# KiCad board Marble.kicad_pcb (continued)
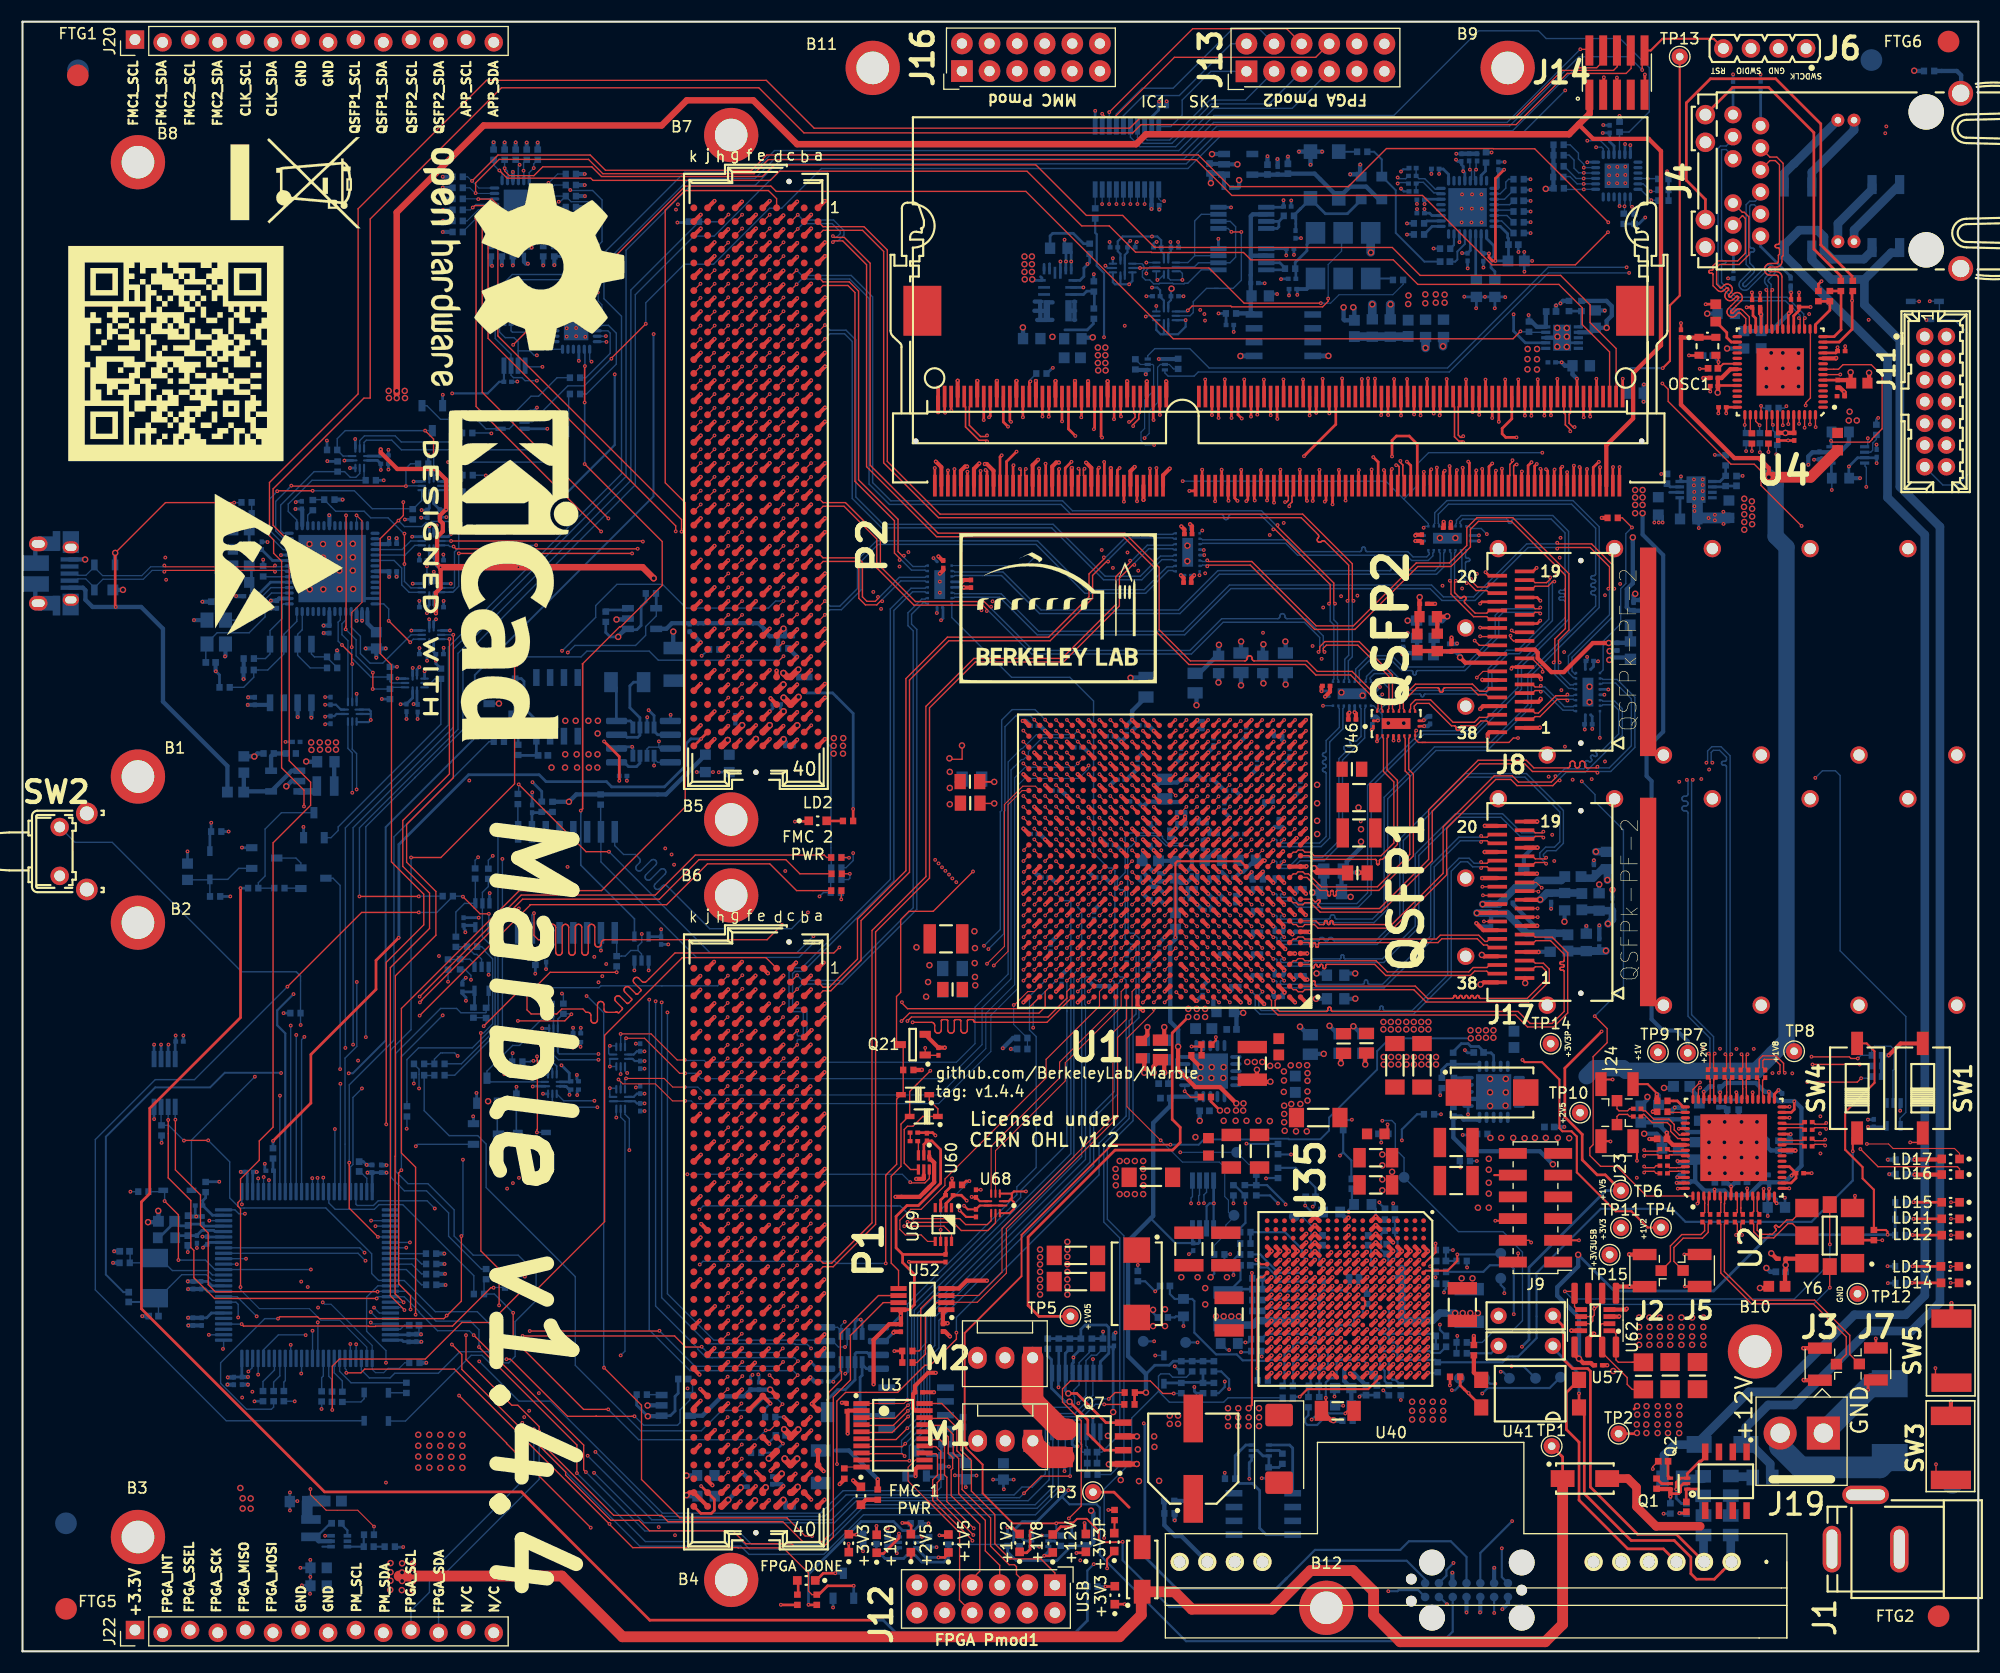
[diagram p0: board, top side]
## Nets (continued)
GND: B1.1 B2.1 B3.1 B4.1 B5.1 B6.1 B7.1 B8.1 B9.1 B10.1 B11.1 B12.1 C1.2 C2.2 C3.2 C4.2 C5.2 C6.2 C7.2 C8.2 C9.2 C10.2 C11.2 C12.1 C13.1 C14.2 C15.2 C16.2 C17.2 C18.2 C19.2 C20.2 C21.2 C22.2 C23.2 C24.2 C25.2 C26.2 C27.2 C28.2 C29.2 C36.2 C37.2 C38.2 C39.2 C40.1 C41.2 C42.1 C43.2 C44.2 C45.2 C46.2 C47.1 C48.2 C49.2 C50.2 C51.2 C52.2 C53.2 C54.2 C55.2 C56.2 C57.2 C58.2 C59.2 C60.2 C61.2 C62.2 C63.2 C64.2 C65.2 C66.2 C67.2 C68.1 C69.1 C70.2 C71.1 C72.1 C73.1 C74.2 C75.2 C76.2 C77.2 C78.2 C79.2 C80.2 C81.2 C90.2 C91.2 C92.2 C93.2 C103.2 C104.2 C105.2 C106.2 C107.2 C108.2 C109.2 C110.2 C111.2 C112.2 C113.2 C115.2 C116.2 C117.2 C118.2 C119.2 C120.2 C121.2 C122.2 C123.2 C124.2 C125.2 C126.2 C127.2 C128.2 C129.2 C131.2 C132.2 C136.2 C137.2 C138.2 C139.2 C140.1 C142.2 C143.2 C144.1 C145.2 C146.2 C147.1 C148.1 C149.1 C151.1 C152.1 C153.1 C154.1 C155.1 C156.1 C157.1 C158.1 C159.1 C160.1 C161.1 C162.2 C163.2 C164.2 C165.2 C166.2 C167.2 C168.2 C169.2 C170.2 C171.2 C172.2 C173.2 C174.2 C175.2 C176.2 C177.2 C178.2 C179.2 C180.2 C181.2 C182.2 C183.2 C184.2 C185.2 C186.2 C187.2 C190.2 C191.1 C192.1 C193.2 C194.1 C195.1 C196.2 C197.2 C198.2 C199.2 C200.2 C201.2 C202.2 C203.2 C204.2 C205.2 C206.2 C207.2 C208.2 C209.2 C210.2 C211.2 C212.2 C213.2 C214.2 C215.2 C216.2 C217.2 C218.2 C219.2 C220.2 C221.2 C223.2 C225.2 C226.2 C227.2 C228.2 C229.2 C230.2 C231.2 C232.2 C233.2 C234.2 C235.2 C236.2 C237.2 C238.2 C239.2 C240.2 C241.2 C242.2 C243.2 C244.2 C245.2 C246.2 C247.2 C248.2 C249.2 C250.2 C251.2 C252.2 C253.2 C254.2 C255.2 C256.2 C257.2 C258.2 C259.2 C260.2 C261.2 C262.2 C263.2 C264.2 C265.2 C266.2 C267.2 C268.2 C269.2 C270.2 C271.2 C272.2 C273.2 C274.2 C275.2 C276.2 C277.2 C278.2 C279.2 C280.2 C281.2 C282.2 C283.2 C284.2 C285.2 C286.2 C287.2 C290.2 C291.2 C292.2 C293.2 C294.2 C295.2 C296.2 C297.2 C298.2 C299.2 C300.2 C301.2 C302.2 C303.2 C304.2 C305.2 C306.2 C307.1 C308.2 C309.1 C310.2 C311.2 C312.2 C313.2 C314.2 C315.2 C316.2 C317.2 C318.2 C319.2 C320.2 C321.2 C322.1 C323.2 C324.1 C325.2 C326.2 C327.2 C328.1 C329.2 C330.1 C331.1 C332.2 C333.2 C334.2 C335.2 C336.2 C337.2 C338.2 C339.2 C340.1 C341.1 C342.2 C343.2 C344.2 C345.1 C346.1 C347.1 C348.2 C349.2 C350.2 C351.2 C352.2 C353.2 C354.2 C355.2 C356.2 C357.2 C358.2 C359.2 C360.2 C364.2 C365.2 C366.2 C367.2 C368.2 C369.2 C370.1 C371.2 C372.2 C373.2 C375.2 C376.2 C377.2 C378.2 C380.2 C381.2 C382.2 C383.2 C384.2 C385.2 C386.2 C387.2 C388.2 C389.2 C390.2 C391.2 C392.2 C393.2 C394.2 C395.2 C396.2 C397.2 C398.2 C399.2 C400.2 C401.2 C402.2 C403.2 C404.2 C405.2 C406.2 C407.2 C408.2 C409.2 C411.2 C412.2 C413.2 C414.2 C415.2 C417.1 C418.2 C420.2 C421.2 C422.2 C423.2 C424.2 C425.2 C427.2 C428.2 C429.2 C430.2 C431.2 C432.2 C433.2 D10.2 D13.1 D15.2 J1.3 J2.2 J3.2 J5.2 J6.2 J7.2 J8.1 J8.4 J8.7 J8.13 J8.16 J8.19 J8.20 J8.23 J8.26 J8.32 J8.35 J8.38 J9.3 J9.10 J10.5 J10.6 J11.1 J11.3 J11.5 J11.7 J11.9 J11.11 J12.9 J12.10 J13.9 J13.10 J14.3 J14.5 J14.9 J15.G1 J15.G2 J15.G3 J15.G4 J15.G5 J15.G6 J15.G7 J15.G8 J15.G9 J15.G10 J15.G11 J15.G12 J15.G13 J16.9 J16.10 J17.1 J17.4 J17.7 J17.13 J17.16 J17.19 J17.20 J17.23 J17.26 J17.32 J17.35 J17.38 J18.G1 J18.G2 J18.G3 J18.G4 J18.G5 J18.G6 J18.G7 J18.G8 J18.G9 J18.G10 J18.G11 J18.G12 J18.G13 J19.1 J20.7 J20.8 J21.1 J21.3 J21.4 J21.13 J22.7 J22.8 J23.2 J24.2 L28.1 LD1.1 LD2.1 LD4.1 LD6.1 LD10.1 LD18.1 LD19.1 OSC1.2 P1.A1 P1.A4 P1.A5 P1.A8 P1.A9 P1.A12 P1.A13 P1.A16 P1.A17 P1.A20 P1.A21 P1.A24 P1.A25 P1.A28 P1.A29 P1.A32 P1.A33 P1.A36 P1.A37 P1.A40 P1.B2 P1.B3 P1.B6 P1.B7 P1.B10 P1.B11 P1.B14 P1.B15 P1.B18 P1.B19 P1.B22 P1.B23 P1.B26 P1.B27 P1.B30 P1.B31 P1.B34 P1.B35 P1.B38 P1.B39 P1.C1 P1.C4 P1.C5 P1.C8 P1.C9 P1.C12 P1.C13 P1.C16 P1.C17 P1.C20 P1.C21 P1.C24 P1.C25 P1.C28 P1.C29 P1.C32 P1.C33 P1.C36 P1.C38 P1.C40 P1.D2 P1.D3 P1.D6 P1.D7 P1.D10 P1.D13 P1.D16 P1.D19 P1.D22 P1.D25 P1.D28 P1.D37 P1.D39 P1.E1 P1.E4 P1.E5 P1.E8 P1.E11 P1.E14 P1.E17 P1.E20 P1.E23 P1.E26 P1.E29 P1.E32 P1.E35 P1.E38 P1.E40 P1.F2 P1.F3 P1.F6 P1.F9 P1.F12 P1.F15 P1.F18 P1.F21 P1.F24 P1.F27 P1.F30 P1.F33 P1.F36 P1.F39 P1.G1 P1.G4 P1.G5 P1.G8 P1.G11 P1.G14 P1.G17 P1.G20 P1.G23 P1.G26 P1.G29 P1.G32 P1.G35 P1.G38 P1.G40 P1.H3 P1.H6 P1.H9 P1.H12 P1.H15 P1.H18 P1.H21 P1.H24 P1.H27 P1.H30 P1.H33 P1.H36 P1.H39 P1.J1 P1.J4 P1.J5 P1.J8 P1.J11 P1.J14 P1.J17 P1.J20 P1.J23 P1.J26 P1.J29 P1.J32 P1.J35 P1.J38 P1.J40 P1.K2 P1.K3 P1.K6 P1.K9 P1.K12 P1.K15 P1.K18 P1.K21 P1.K24 P1.K27 P1.K30 P1.K33 P1.K36 P1.K39 P2.A1 P2.A4 P2.A5 P2.A8 P2.A9 P2.A12 P2.A13 P2.A16 P2.A17 P2.A20 P2.A21 P2.A24 P2.A25 P2.A28 P2.A29 P2.A32 P2.A33 P2.A36 P2.A37 P2.A40 P2.B2 P2.B3 P2.B6 P2.B7 P2.B10 P2.B11 P2.B14 P2.B15 P2.B18 P2.B19 P2.B22 P2.B23 P2.B26 P2.B27 P2.B30 P2.B31 P2.B34 P2.B35 P2.B38 P2.B39 P2.C1 P2.C4 P2.C5 P2.C8 P2.C9 P2.C12 P2.C13 P2.C16 P2.C17 P2.C20 P2.C21 P2.C24 P2.C25 P2.C28 P2.C29 P2.C32 P2.C33 P2.C36 P2.C38 P2.C40 P2.D2 P2.D3 P2.D6 P2.D7 P2.D10 P2.D13 P2.D16 P2.D19 P2.D22 P2.D25 P2.D28 P2.D37 P2.D39 P2.E1 P2.E4 P2.E5 P2.E8 P2.E11 P2.E14 P2.E17 P2.E20 P2.E23 P2.E26 P2.E29 P2.E32 P2.E35 P2.E38 P2.E40 P2.F2 P2.F3 P2.F6 P2.F9 P2.F12 P2.F15 P2.F18 P2.F21 P2.F24 P2.F27 P2.F30 P2.F33 P2.F36 P2.F39 P2.G1 P2.G4 P2.G5 P2.G8 P2.G11 P2.G14 P2.G17 P2.G20 P2.G23 P2.G26 P2.G29 P2.G32 P2.G35 P2.G38 P2.G40 P2.H3 P2.H6 P2.H9 P2.H12 P2.H15 P2.H18 P2.H21 P2.H24 P2.H27 P2.H30 P2.H33 P2.H36 P2.H39 P2.J1 P2.J4 P2.J5 P2.J8 P2.J11 P2.J14 P2.J17 P2.J20 P2.J23 P2.J26 P2.J29 P2.J32 P2.J35 P2.J38 P2.J40 P2.K2 P2.K3 P2.K6 P2.K9 P2.K12 P2.K15 P2.K18 P2.K21 P2.K24 P2.K27 P2.K30 P2.K33 P2.K36 P2.K39 Q3.1 Q3.4 Q5.2 Q6.2 Q7.1 Q7.3 Q8.2 Q9.2 Q15.1 Q15.4 Q17.2 Q18.2 Q19.2 Q20.1 Q20.4 Q21.2 Q24.2 R9.1 R10.1 R12.1 R21.1 R22.1 R23.1 R26.2 R30.2 R33.2 R34.2 R42.2 R43.2 R44.2 R59.1 R60.1 R66.1 R69.1 R71.2 R84.2 R85.2 R88.2 R96.1 R97.1 R98.1 R99.1 R100.1 R101.1 R102.1 R104.2 R105.1 R106.1 R108.2 R116.2 R119.2 R120.1 R127.2 R132.2 R137.2 R138.2 R142.2 R144.2 R146.2 R147.2 R155.1 R158.2 R165.1 R169.1 R170.1 R180.1 R181.2 R186.1 R187.1 R188.2 R189.2 R192.1 R193.1 R196.2 R198.2 R201.2 R207.2 R208.2 R211.2 R212.2 R218.2 R220.1 R222.2 R226.1 R272.1 R281.2 R284.2 R285.2 R297.2 R298.2 R299.2 R300.2 R308.1 SK1.2 SK1.3 SK1.8 SK1.9 SK1.13 SK1.14 SK1.19 SK1.20 SK1.25 SK1.26 SK1.31 SK1.32 SK1.37 SK1.38 SK1.43 SK1.44 SK1.48 SK1.49 SK1.54 SK1.55 SK1.60 SK1.61 SK1.65 SK1.66 SK1.71 SK1.72 SK1.127 SK1.128 SK1.133 SK1.134 SK1.138 SK1.139 SK1.144 SK1.145 SK1.150 SK1.151 SK1.155 SK1.156 SK1.161 SK1.162 SK1.167 SK1.168 SK1.172 SK1.173 SK1.178 SK1.179 SK1.184 SK1.185 SK1.189 SK1.190 SK1.195 SK1.196 SK1.197 SK1.201 SW1.2 SW2.1 SW3.1 SW5.1 TP12.1 U1.A1 U1.A2 U1.A5 U1.A6 U1.A7 U1.A16 U1.A26 U1.AA6 U1.AA16 U1.AA26 U1.AB3 U1.AB13 U1.AB23 U1.AC10 U1.AC20 U1.AD7 U1.AD17 U1.AE4 U1.AE14 U1.AE24 U1.AF1 U1.AF11 U1.AF21 U1.B4 U1.B7 U1.B13 U1.B23 U1.C1 U1.C5 U1.C7 U1.C10 U1.C20 U1.D4 U1.D7 U1.D17 U1.E1 U1.E2 U1.E5 U1.E7 U1.E8 U1.E14 U1.E24 U1.F3 U1.F4 U1.F7 U1.F11 U1.F21 U1.G1 U1.G5 U1.G8 U1.G18 U1.H4 U1.H7 U1.H15 U1.H25 U1.J1 U1.J2 U1.J5 U1.J12 U1.J22 U1.K3 U1.K4 U1.K7 U1.K9 U1.K11 U1.K13 U1.K19 U1.L1 U1.L5 U1.L10 U1.L12 U1.L14 U1.L16 U1.L26 U1.M4 U1.M7 U1.M9 U1.M13 U1.M15 U1.M23 U1.N1 U1.N2 U1.N5 U1.N7 U1.N10 U1.N14 U1.N20 U1.P3 U1.P4 U1.P9 U1.P13 U1.P15 U1.P17 U1.R1 U1.R2 U1.R5 U1.R8 U1.R10 U1.R14 U1.R24 U1.T1 U1.T3 U1.T4 U1.T9 U1.T11 U1.T13 U1.T15 U1.T21 U1.U8 U1.U10 U1.U12 U1.U14 U1.U18 U1.V5 U1.V15 U1.V25 U1.W2 U1.W12 U1.W22 U1.Y9 U1.Y19 U2.2 U2.11 U2.16 U2.17 U2.27 U2.30 U2.32 U2.33 U2.37 U2.46 U2.53 U2.62 U2.64 U2.65 U3.11 U4.10 U4.57 U5.9 U6.2 U7.3 U8.3 U9.1 U9.3 U10.3 U11.1 U11.3 U12.11 U13.2 U14.4 U14.5 U15.2 U15.3 U16.8 U17.3 U17.7 U17.8 U18.3 U19.8 U20.22 U20.33 U21.5 U22.2 U23.10 U23.21 U23.41 U23.45 U23.57 U24.2 U24.3 U25.1 U25.2 U25.3 U26.3 U27.10 U27.13 U28.4 U28.5 U29.4 U29.5 U29.6 U30.10 U31.4 U31.8 U31.11 U32.3 U32.8 U33.1 U33.3 U34.9 U34.18 U34.24 U34.25 U35.A4 U35.A5 U35.A8 U35.A9 U35.A10 U35.A11 U35.A12 U35.A14 U35.A15 U35.A16 U35.A17 U35.A18 U35.A19 U35.B4 U35.B5 U35.B6 U35.B7 U35.B8 U35.B9 U35.B10 U35.B11 U35.B12 U35.B14 U35.B15 U35.B16 U35.B17 U35.B18 U35.B19 U35.C4 U35.C5 U35.C6 U35.C7 U35.C8 U35.C9 U35.C10 U35.C11 U35.C12 U35.C14 U35.C15 U35.C16 U35.C17 U35.C18 U35.C19 U35.D4 U35.D5 U35.D6 U35.D14 U35.D15 U35.D16 U35.D17 U35.D18 U35.D19 U35.E3 U35.E4 U35.E5 U35.E12 U35.E13 U35.E14 U35.E15 U35.E16 U35.E17 U35.E18 U35.E19 U35.F1 U35.F2 U35.F3 U35.F4 U35.F5 U35.F6 U35.F7 U35.F12 U35.G1 U35.G2 U35.G3 U35.G4 U35.G5 U35.G6 U35.G10 U35.G12 U35.H5 U35.H7 U35.H12 U35.H14 U35.H16 U35.H17 U35.J7 U35.J9 U35.J13 U35.J14 U35.J15 U35.J16 U35.J18 U35.K1 U35.K2 U35.K3 U35.K4 U35.K5 U35.K6 U35.K7 U35.K11 U35.K12 U35.K13 U35.K14 U35.K16 U35.L7 U35.L11 U35.L13 U35.L14 U35.L15 U35.L16 U35.L17 U35.L18 U35.L19 U35.M5 U35.M7 U35.M10 U35.M12 U35.M13 U35.M14 U35.M15 U35.M17 U35.M18 U35.M19 U35.N1 U35.N2 U35.N3 U35.N4 U35.N5 U35.N6 U35.N12 U35.N13 U35.N14 U35.N17 U35.N18 U35.N19 U35.P1 U35.P2 U35.P3 U35.P4 U35.P5 U35.P11 U35.P12 U35.P13 U35.P14 U35.P18 U35.P19 U35.R3 U35.R4 U35.R5 U35.R12 U35.R13 U35.R14 U35.R15 U35.R16 U35.R17 U35.R18 U35.R19 U35.T4 U35.T5 U35.T6 U35.T14 U35.T15 U35.T16 U35.T17 U35.T18 U35.T19 U35.U4 U35.U5 U35.U6 U35.U7 U35.U8 U35.U9 U35.U10 U35.U11 U35.U12 U35.U14 U35.U15 U35.U16 U35.U17 U35.U18 U35.U19 U35.V4 U35.V5 U35.V6 U35.V7 U35.V8 U35.V9 U35.V10 U35.V11 U35.V12 U35.V14 U35.V15 U35.V16 U35.V17 U35.V18 U35.V19 U35.W4 U35.W5 U35.W8 U35.W9 U35.W10 U35.W11 U35.W12 U35.W14 U35.W15 U35.W16 U35.W17 U35.W18 U35.W19 U36.12 U36.21 U37.12 U37.21 U38.2 U38.3 U38.10 U39.9 U39.23 U39.24 U39.25 U40.7 U40.10 U42.1 U42.2 U42.3 U42.10 U43.2 U44.5 U44.11 U44.20 U44.21 U45.5 U45.11 U45.20 U45.21 U46.5 U46.11 U46.20 U46.21 U47.4 U47.9 U48.5 U48.11 U48.20 U48.21 U49.5 U49.11 U49.20 U49.21 U50.5 U50.11 U50.20 U50.21 U51.2 U51.3 U51.10 U52.4 U53.1 U53.2 U53.3 U53.10 U54.10 U54.20 U54.27 U54.74 U55.2 U56.3 U57.3 U57.8 U58.16 U58.17 U58.18 U59.4 U60.5 U61.1 U61.3 U62.1 U62.6 U63.1 U63.2 U63.6 U64.1 U64.6 U65.2 U65.3 U66.1 U66.2 U66.3 U67.2 U67.3 U67.10 U68.2 U68.3 U68.10 U69.2 Y1.3 Y2.2 Y3.3 Y4.2 Y4.4 Y6.3
VCCAUX: C223.1 C226.1 C227.1 C229.1 C231.1 C233.1 C235.1 C237.1 L15.2 U1.L11 U1.M10 U1.P10 U1.T10 U1.U11
VCCAUXIO2V0: C73.2 C384.1 C385.1 J21.12 TP7.1 U1.P8 U1.R9 U1.T8 U47.2
VCCBRAM: C2.1 C3.1 C216.1 C218.1 C220.1 L33.2 U1.N13 U1.R13 U1.T12 U1.U13
VDD25: C147.2 U35.G19 U35.H19
VDD33: C149.2 U35.J19
+3.3P: C20.1 C40.2 C136.1 C139.1 C145.1 C179.1 C181.1 C190.1 C191.2 C192.2 C197.1 C198.1 C200.1 C201.1 C202.1 C203.1 C204.1 C205.1 C206.1 C207.1 C208.1 C209.1 C320.1 C321.1 C351.1 C358.1 C359.1 C378.1 C412.1 C421.1 C425.1 C432.1 J14.1 J21.10 J22.1 L9.1 L17.2 L19.1 R13.1 R14.1 R32.1 R39.1 R40.1 R41.1 R45.2 R46.2 R47.2 R48.2 R51.2 R52.2 R57.2 R61.1 R75.2 R149.2 R157.2 R167.2 R174.1 R175.1 R176.1 R177.1 R178.1 R179.1 R204.1 R205.1 R234.1 R246.1 R258.1 R259.1 R260.1 R261.1 R263.1 R266.1 R267.1 R268.1 R273.1 R274.1 R309.2 SK1.199 SW4.2 TP14.1 U5.21 U7.5 U10.5 U17.4 U24.6 U25.6 U27.8 U28.6 U28.7 U28.8 U29.7 U29.8 U32.4 U32.7 U36.10 U37.10 U43.1 U51.1 U51.7 U52.8 U54.6 U54.11 U54.19 U54.28 U54.50 U54.75 U54.100 U55.1 U57.4 U59.8 U60.2 U61.5 U62.5 U63.5 U64.2 U64.5 U65.1 U65.7 U65.10 U66.6 U69.7
/ALERT: R172.2 U27.14 U39.5
/EN_CON_JTAG: C193.1 D14.1 D15.1 J11.13 R166.2 U61.2
/EN_CON_JTAG_R: Q6.1 R72.1 U61.4
/EN_USB_JTAG: Q5.1 R73.1 U15.4
/ETH_PHY/CLK_25MHZ: C102.2 C374.2 R79.2
/ETH_PHY/LED_0: R67.2 R80.1 U4.14
/ETH_PHY/LED_1: R65.1 R156.2 U4.13
/ETH_PHY/MDI0_N: J4.10 U4.27
/ETH_PHY/MDI0_P: J4.11 U4.28
/ETH_PHY/MDI1_N: J4.5 U4.23
/ETH_PHY/MDI1_P: J4.4 U4.24
/ETH_PHY/MDI2_N: J4.2 U4.21
/ETH_PHY/MDI2_P: J4.3 U4.22
/ETH_PHY/MDI3_N: J4.9 U4.17
/ETH_PHY/MDI3_P: J4.8 U4.18
/ETH_PHY/MII_MDC: U6.8 U54.16
/ETH_PHY/MII_MDIO: R62.1 U6.1 U54.25
/ETH_PHY/PHY_RSTn: U1.B9 U4.16
/ETH_PHY/POE_VC1: D6.3 J4.13
/ETH_PHY/POE_VC2: D7.3 J4.14
/ETH_PHY/POE_VC3: D6.4 J4.15
/ETH_PHY/POE_VC4: D7.4 J4.16
/ETH_PHY/RGMII_RX_CLK: R292.2 U1.E11
/ETH_PHY/RGMII_RX_DV: R291.2 U1.J11
/ETH_PHY/RGMII_RXD0: R293.2 U1.J10
/ETH_PHY/RGMII_RXD1: R294.2 U1.J8
/ETH_PHY/RGMII_RXD2: R295.2 U1.H8
/ETH_PHY/RGMII_RXD3: R296.2 U1.H9
/ETH_PHY/RGMII_TX_CLK: U1.F10 U4.53
/ETH_PHY/RGMII_TX_EN: U1.C9 U4.56
/ETH_PHY/RGMII_TXD0: U1.H11 U4.50
/ETH_PHY/RGMII_TXD1: U1.H12 U4.51
/ETH_PHY/RGMII_TXD2: U1.D8 U4.54
/ETH_PHY/RGMII_TXD3: U1.D9 U4.55
/FANFAIL: R173.2 U27.5 U39.6
/FMC1_PRSNT_M2C_L: P1.H2 R63.1 R234.2
/FMC1_PRSNT_Override: D18.2 R151.1
/FMC1_TCK: P1.D29 R239.1 R241.2
/FMC1_TDI: P1.D30 R277.1
/FMC1_TDO: P1.D31 R278.1
/FMC1_TMS: P1.D33 R240.1 R242.2
/FMC1_TRST: P1.D34 R289.2 R290.1
/FMC2_PRSNT_M2C_L: P2.H2 R205.2 R276.1
/FMC2_PRSNT_Override: D17.2 R152.1
/FMC2_TCK: P2.D29 R241.1
/FMC2_TDI: P2.D30 R279.1
/FMC2_TDO: P2.D31 R280.1
/FMC2_TMS: P2.D33 R242.1
/FMC2_TRST: P2.D34 R289.1
/FMC_1/FMC1_3P3VAUX: C65.1 C66.1 P1.D32 U43.5
/FMC_1/FMC1_CLK0_M2C_N: P1.H5 U1.E17
/FMC_1/FMC1_CLK0_M2C_P: P1.H4 U1.F17
/FMC_1/FMC1_CLK1_M2C_N: P1.G3 U1.D18
/FMC_1/FMC1_CLK1_M2C_P: P1.G2 U1.E18
/FMC_1/FMC1_FUSE: R260.2 U43.4 U54.78
/FMC_1/FMC1_GBTCLK0_M2C_N: C86.2 P1.D5
/FMC_1/FMC1_GBTCLK0_M2C_P: C98.2 P1.D4
/FMC_1/FMC1_GBTCLK1_M2C_N: C87.2 P1.B21
/FMC_1/FMC1_GBTCLK1_M2C_P: C99.2 P1.B20
/FMC_1/FMC1_PG_C2M: P1.D1 R153.1
/FMC_1/I2C_FMC1_SCL: J20.1 P1.C30 R45.1 U5.2
/FMC_1/I2C_FMC1_SDA: J20.2 P1.C31 R46.1 U5.1
/FMC_1/VIO_B_M2C: P1.J39 P1.K40 R86.2
/FMC_2/FMC2_3P3VAUX: C9.1 C10.1 P2.D32 R11.1 U55.5
/FMC_2/FMC2_CLK0_M2C_N: P2.H5 U1.AA24
/FMC_2/FMC2_CLK0_M2C_P: P2.H4 U1.Y23
/FMC_2/FMC2_CLK1_M2C_N: P2.G3 U1.E23
/FMC_2/FMC2_CLK1_M2C_P: P2.G2 U1.F22
/FMC_2/FMC2_FUSE: R258.2 U54.79 U55.4
/FMC_2/FMC2_GBTCLK0_M2C_N: C88.2 P2.D5
/FMC_2/FMC2_GBTCLK0_M2C_P: C100.2 P2.D4
/FMC_2/FMC2_GBTCLK1_M2C_N: C89.2 P2.B21
/FMC_2/FMC2_GBTCLK1_M2C_P: C101.2 P2.B20
/FMC_2/FMC2_PG_C2M: P2.D1 R154.1
/FMC_2/I2C_FMC2_SCL: J20.3 P2.C30 R47.1 U5.4
/FMC_2/I2C_FMC2_SDA: J20.4 P2.C31 R48.1 U5.3
/FMC_2/VIO_B_M2C: P2.J39 P2.K40 R87.2
/FMC_TCK: R239.2 U54.46
/FMC_TDI: R237.1 U54.45
/FMC_TDO: R275.2 U54.43
/FMC_TMS: R240.2 U54.44
/FMC_TRST: R290.2 U54.42
/FPGA/BOOT_MODE0: R286.2 U54.35
/FPGA/BOOT_MODE1: R287.2 U54.36
/FPGA/BOOT_MODE2: R288.2 U54.37
/FPGA/CCLK: U1.C8 U30.16
/FPGA/CFG_WP_B: U11.4 U39.8
/FPGA/CLKMUX_RST: U2.1 U39.17
/FPGA/DDR3_A0: SK1.98 U1.AC8
/FPGA/DDR3_A1: SK1.97 U1.AB10
/FPGA/DDR3_A2: SK1.96 U1.AA9
/FPGA/DDR3_A3: SK1.95 U1.AA10
/FPGA/DDR3_A4: SK1.92 U1.AD10
/FPGA/DDR3_A5: SK1.91 U1.AC12
/FPGA/DDR3_A6: SK1.90 U1.AB11
/FPGA/DDR3_A7: SK1.86 U1.AC11
/FPGA/DDR3_A8: SK1.89 U1.AF13
/FPGA/DDR3_A9: SK1.85 U1.AE13
/FPGA/DDR3_A10: SK1.107 U1.AE10
/FPGA/DDR3_A11: SK1.84 U1.AD11
/FPGA/DDR3_A12: SK1.83 U1.AA12
/FPGA/DDR3_A13: SK1.119 U1.AE8
/FPGA/DDR3_A14: SK1.80 U1.AB12
/FPGA/DDR3_A15: SK1.78 U1.AD13
/FPGA/DDR3_BA0: SK1.109 U1.AF10
/FPGA/DDR3_BA1: SK1.108 U1.AD8
/FPGA/DDR3_BA2: SK1.79 U1.AC13
/FPGA/DDR3_DM0: SK1.11 U1.AF17
/FPGA/DDR3_DM1: SK1.28 U1.W15
/FPGA/DDR3_DM2: SK1.46 U1.AC19
/FPGA/DDR3_DM3: SK1.63 U1.AA15
/FPGA/DDR3_DM4: SK1.136 U1.AC3
/FPGA/DDR3_DM5: SK1.153 U1.AD4
/FPGA/DDR3_DM6: SK1.170 U1.W1
/FPGA/DDR3_DM7: SK1.187 U1.U7
/FPGA/DDR3_DQ0: SK1.5 U1.AF20
/FPGA/DDR3_DQ1: SK1.7 U1.AF19
/FPGA/DDR3_DQ2: SK1.15 U1.AE17
/FPGA/DDR3_DQ3: SK1.17 U1.AE15
/FPGA/DDR3_DQ4: SK1.4 U1.AD16
/FPGA/DDR3_DQ5: SK1.6 U1.AD15
/FPGA/DDR3_DQ6: SK1.16 U1.AF15
/FPGA/DDR3_DQ7: SK1.18 U1.AF14
/FPGA/DDR3_DQ8: SK1.21 U1.V17
/FPGA/DDR3_DQ9: SK1.23 U1.Y17
/FPGA/DDR3_DQ10: SK1.33 U1.V18
/FPGA/DDR3_DQ11: SK1.35 U1.V19
/FPGA/DDR3_DQ12: SK1.22 U1.V16
/FPGA/DDR3_DQ13: SK1.24 U1.W16
/FPGA/DDR3_DQ14: SK1.34 U1.V14
/FPGA/DDR3_DQ15: SK1.36 U1.W14
/FPGA/DDR3_DQ16: SK1.39 U1.AA20
/FPGA/DDR3_DQ17: SK1.41 U1.AD19
/FPGA/DDR3_DQ18: SK1.51 U1.AB17
/FPGA/DDR3_DQ19: SK1.53 U1.AC17
/FPGA/DDR3_DQ20: SK1.40 U1.AA19
/FPGA/DDR3_DQ21: SK1.42 U1.AB19
/FPGA/DDR3_DQ22: SK1.50 U1.AD18
/FPGA/DDR3_DQ23: SK1.52 U1.AC18
/FPGA/DDR3_DQ24: SK1.57 U1.AA18
/FPGA/DDR3_DQ25: SK1.59 U1.AB16
/FPGA/DDR3_DQ26: SK1.67 U1.AA14
/FPGA/DDR3_DQ27: SK1.69 U1.AD14
/FPGA/DDR3_DQ28: SK1.56 U1.AB15
/FPGA/DDR3_DQ29: SK1.58 U1.AA17
/FPGA/DDR3_DQ30: SK1.68 U1.AC14
/FPGA/DDR3_DQ31: SK1.70 U1.AB14
/FPGA/DDR3_DQ32: SK1.129 U1.AD6
/FPGA/DDR3_DQ33: SK1.131 U1.AB6
/FPGA/DDR3_DQ34: SK1.141 U1.Y6
/FPGA/DDR3_DQ35: SK1.143 U1.AC4
/FPGA/DDR3_DQ36: SK1.130 U1.AC6
/FPGA/DDR3_DQ37: SK1.132 U1.AB4
/FPGA/DDR3_DQ38: SK1.140 U1.AA4
/FPGA/DDR3_DQ39: SK1.142 U1.Y5
/FPGA/DDR3_DQ40: SK1.147 U1.AF2
/FPGA/DDR3_DQ41: SK1.149 U1.AE2
/FPGA/DDR3_DQ42: SK1.157 U1.AE1
/FPGA/DDR3_DQ43: SK1.159 U1.AD1
/FPGA/DDR3_DQ44: SK1.146 U1.AE5
/FPGA/DDR3_DQ45: SK1.148 U1.AE6
/FPGA/DDR3_DQ46: SK1.158 U1.AF3
/FPGA/DDR3_DQ47: SK1.160 U1.AE3
/FPGA/DDR3_DQ48: SK1.163 U1.AA3
/FPGA/DDR3_DQ49: SK1.165 U1.AC2
/FPGA/DDR3_DQ50: SK1.175 U1.V2
/FPGA/DDR3_DQ51: SK1.177 U1.V1
/FPGA/DDR3_DQ52: SK1.164 U1.AB2
/FPGA/DDR3_DQ53: SK1.166 U1.Y3
/FPGA/DDR3_DQ54: SK1.174 U1.Y2
/FPGA/DDR3_DQ55: SK1.176 U1.Y1
/FPGA/DDR3_DQ56: SK1.181 U1.W3
/FPGA/DDR3_DQ57: SK1.183 U1.V4
/FPGA/DDR3_DQ58: SK1.191 U1.U2
/FPGA/DDR3_DQ59: SK1.193 U1.U1
/FPGA/DDR3_DQ60: SK1.180 U1.V6
/FPGA/DDR3_DQ61: SK1.182 U1.V3
/FPGA/DDR3_DQ62: SK1.192 U1.U6
/FPGA/DDR3_DQ63: SK1.194 U1.U5
/FPGA/DXN_0: R129.1 U1.R11
/FPGA/DXP_0: C188.1 C189.1 U1.R12 U27.9
/FPGA/EXP_INT: R199.2 U34.22 U39.22 U68.9
/FPGA/FPGA_12_13/FPGA_MISO_T: U1.AC21 U51.5
/FPGA/FPGA_12_13/FPGA_MOSI_T: U1.AB21 U51.4
/FPGA/FPGA_12_13/FPGA_SCK_T: U1.AE21 U65.4
/FPGA/FPGA_12_13/FPGA_SSEL_T: U1.AD21 U65.5
/FPGA/FPGA_14_15/CFG_D02: R209.1 U1.B22
/FPGA/FPGA_14_15/CFG_D03: R210.1 U1.A22
/FPGA/FPGA_14_15/CFG_DIN: U1.A25 U30.8
/FPGA/FPGA_14_15/CFG_FCS: R223.2 U1.C23 U30.7
/FPGA/FPGA_14_15/CFG_MOSI: U1.B24 U30.15
/FPGA/FPGA_14_15/CFG_PUDC: R221.2 R222.1 U1.B25
/FPGA/FPGA_14_15/CFG_WP: R209.2 SW1.1 U11.2 U30.9
/FPGA/FPGA_14_15/EXP_INT_T: U1.B17 U68.4
/FPGA/FPGA_14_15/FPGA_INT_T: U1.A18 U68.5
/FPGA/FPGA_14_15/I2C_FPGA_SW_RST: R41.2 U5.24 U54.2 U69.8
/FPGA/FPGA_14_15/I2C_FPGA_SW_RST_T: U1.B19 U69.5
/FPGA/FPGA_14_15/I2C_SCL: R1.2 U1.B16 U52.2
/FPGA/FPGA_14_15/I2C_SDA: R2.2 U1.A17 U52.3
/FPGA/FPGA_32_16/FPGA_CLKIN0: R164.1 TP20.1 U1.G11
/FPGA/FPGA_32_16/FPGA_CLKIN3: R185.1 TP21.1 U1.J14
/FPGA/FPGA_32_16/FPGA_CLKIN12: R190.1 TP22.1 U1.D11
/FPGA/FPGA_33_34/CLK20_VCXO_T: U1.W11 U67.4
/FPGA/FPGA_33_34/DDR_REF_CLK_C_N: C410.1 U1.AD9
/FPGA/FPGA_33_34/DDR_REF_CLK_C_P: C379.1 U1.AC9
/FPGA/FPGA_33_34/LD16_T: Q15.5 R85.1 U1.Y13
/FPGA/FPGA_33_34/LD17_T: Q15.2 R84.1 U1.V12
/FPGA/FPGA_33_34/VCXO_EN_T: U1.V9 U42.5
/FPGA/FPGA_33_34/WR_DAC1_SYNC_T: U1.W10 U42.4
/FPGA/FPGA_33_34/WR_DAC2_SYNC_T: U1.Y11 U67.5
/FPGA/FPGA_33_34/WR_DAC_DIN_T: U1.Y10 U53.5
/FPGA/FPGA_33_34/WR_DAC_SCLK_T: U1.V11 U53.4
/FPGA/FPGA_MGT/GBX_MUX/MGT_MUX_PD: R300.1 U44.2 U45.2 U46.2 U48.2 U49.2 U50.2
/FPGA/FPGA_MGT/GBX_MUX/MGT_RX_6_FMC_N: U44.4 U50.16
/FPGA/FPGA_MGT/GBX_MUX/MGT_RX_6_FMC_P: U44.3 U50.17
/FPGA/FPGA_MGT/GBX_MUX/MGT_RX_7_FMC_N: U45.4 U50.18
/FPGA/FPGA_MGT/GBX_MUX/MGT_RX_7_FMC_P: U45.3 U50.19
/FPGA/FPGA_MGT/GBX_MUX/MGT_TX_6_FMC_N: U44.8 U49.18
/FPGA/FPGA_MGT/GBX_MUX/MGT_TX_6_FMC_P: U44.7 U49.19
/FPGA/FPGA_MGT/GBX_MUX/MGT_TX_7_FMC_N: U45.8 U49.16
/FPGA/FPGA_MGT/GBX_MUX/MGT_TX_7_FMC_P: U45.7 U49.17
/FPGA/FPGA_MGT/MGT_CLK_0_N: C33.1 U1.D5
/FPGA/FPGA_MGT/MGT_CLK_0_P: C289.1 U1.D6
/FPGA/FPGA_MGT/MGT_CLK_1_N: C32.1 U1.F5
/FPGA/FPGA_MGT/MGT_CLK_1_P: C288.1 U1.F6
/FPGA/FPGA_MGT/MGT_CLK_2_N: C31.1 U1.H5
/FPGA/FPGA_MGT/MGT_CLK_2_P: C35.1 U1.H6
/FPGA/FPGA_MGT/MGT_CLK_3_N: C30.1 U1.K5
/FPGA/FPGA_MGT/MGT_CLK_3_P: C34.1 U1.K6
/FPGA/FPGA_MGT/MGT_CLK_Crosspoint/EXT0_CLK_C_N: C82.1 U2.3
/FPGA/FPGA_MGT/MGT_CLK_Crosspoint/EXT0_CLK_C_P: C94.1 U2.4
/FPGA/FPGA_MGT/MGT_CLK_Crosspoint/EXT0_CLK_N: C82.2 J2.1
/FPGA/FPGA_MGT/MGT_CLK_Crosspoint/EXT0_CLK_P: C94.2 J5.1
/FPGA/FPGA_MGT/MGT_CLK_Crosspoint/EXT1_CLK_C_N: C83.1 U2.6
/FPGA/FPGA_MGT/MGT_CLK_Crosspoint/EXT1_CLK_C_P: C95.1 U2.7
/FPGA/FPGA_MGT/MGT_CLK_Crosspoint/EXT1_CLK_N: C83.2 J3.1
/FPGA/FPGA_MGT/MGT_CLK_Crosspoint/EXT1_CLK_P: C95.2 J7.1
/FPGA/FPGA_MGT/MGT_CLK_Crosspoint/FMC1_GBTCLK0_M2C_C_N: C86.1 U2.35
/FPGA/FPGA_MGT/MGT_CLK_Crosspoint/FMC1_GBTCLK0_M2C_C_P: C98.1 U2.36
/FPGA/FPGA_MGT/MGT_CLK_Crosspoint/FMC1_GBTCLK1_M2C_C_N: C87.1 U2.38
/FPGA/FPGA_MGT/MGT_CLK_Crosspoint/FMC1_GBTCLK1_M2C_C_P: C99.1 U2.39
/FPGA/FPGA_MGT/MGT_CLK_Crosspoint/FMC2_GBTCLK0_M2C_C_N: C88.1 U2.41
/FPGA/FPGA_MGT/MGT_CLK_Crosspoint/FMC2_GBTCLK0_M2C_C_P: C100.1 U2.42
/FPGA/FPGA_MGT/MGT_CLK_Crosspoint/FMC2_GBTCLK1_M2C_C_N: C89.1 U2.44
/FPGA/FPGA_MGT/MGT_CLK_Crosspoint/FMC2_GBTCLK1_M2C_C_P: C101.1 U2.45
/FPGA/FPGA_MGT/MGT_CLK_Crosspoint/FPGA_REF_CLK0_C_N: C84.1 U2.9
/FPGA/FPGA_MGT/MGT_CLK_Crosspoint/FPGA_REF_CLK0_C_P: C96.1 U2.10
/FPGA/FPGA_MGT/MGT_CLK_Crosspoint/MGT_CLK_0_C_N: C33.2 U2.60
/FPGA/FPGA_MGT/MGT_CLK_Crosspoint/MGT_CLK_0_C_P: C289.2 U2.61
/FPGA/FPGA_MGT/MGT_CLK_Crosspoint/MGT_CLK_1_C_N: C32.2 U2.57
/FPGA/FPGA_MGT/MGT_CLK_Crosspoint/MGT_CLK_1_C_P: C288.2 U2.58
/FPGA/FPGA_MGT/MGT_CLK_Crosspoint/MGT_CLK_2_C_N: C31.2 U2.28
/FPGA/FPGA_MGT/MGT_CLK_Crosspoint/MGT_CLK_2_C_P: C35.2 U2.29
/FPGA/FPGA_MGT/MGT_CLK_Crosspoint/MGT_CLK_3_C_N: C30.2 U2.25
/FPGA/FPGA_MGT/MGT_CLK_Crosspoint/MGT_CLK_3_C_P: C34.2 U2.26
/FPGA/FPGA_MGT/MGT_CLK_Crosspoint/OUT1_CLK_C_N: C141.2 U2.54
/FPGA/FPGA_MGT/MGT_CLK_Crosspoint/OUT1_CLK_C_P: C416.2 U2.55
/FPGA/FPGA_MGT/MGT_CLK_Crosspoint/OUT1_CLK_N: C141.1 J24.1
/FPGA/FPGA_MGT/MGT_CLK_Crosspoint/OUT1_CLK_P: C416.1 J23.1
/FPGA/FPGA_MGT/MGT_CLK_Crosspoint/SI570_CLK_C_N: C85.1 U2.12
/FPGA/FPGA_MGT/MGT_CLK_Crosspoint/SI570_CLK_C_P: C97.1 U2.13
/FPGA/FPGA_MGT/MGT_CLK_Crosspoint/VTTI: C324.2 C327.1 C364.1 C366.1 C371.1 C372.1 L7.2 U2.8 U2.40
/FPGA/FPGA_MGT/MGT_CLK_Crosspoint/VTTO: C367.1 C368.1 C369.1 C370.2 C373.1 C376.1 L8.1 U2.24 U2.56
/FPGA/FPGA_MGT/MGT_RX_4_N: U1.R3 U48.8
/FPGA/FPGA_MGT/MGT_RX_4_P: U1.R4 U48.7
/FPGA/FPGA_MGT/MGT_RX_5_N: U1.N3 U48.4
/FPGA/FPGA_MGT/MGT_RX_5_P: U1.N4 U48.3
/FPGA/FPGA_MGT/MGT_RX_6_N: U1.L3 U50.8
/FPGA/FPGA_MGT/MGT_RX_6_P: U1.L4 U50.7
/FPGA/FPGA_MGT/MGT_RX_7_N: U1.J3 U50.4
/FPGA/FPGA_MGT/MGT_RX_7_P: U1.J4 U50.3
/FPGA/FPGA_MGT/MGT_TX_4_N: U1.P1 U46.4
/FPGA/FPGA_MGT/MGT_TX_4_P: U1.P2 U46.3
/FPGA/FPGA_MGT/MGT_TX_5_N: U1.M1 U46.8
/FPGA/FPGA_MGT/MGT_TX_5_P: U1.M2 U46.7
/FPGA/FPGA_MGT/MGT_TX_6_N: U1.K1 U49.4
/FPGA/FPGA_MGT/MGT_TX_6_P: U1.K2 U49.3
/FPGA/FPGA_MGT/MGT_TX_7_N: U1.H1 U49.8
/FPGA/FPGA_MGT/MGT_TX_7_P: U1.H2 U49.7
/FPGA/FPGA_PWR&MISC/FPGA_INIT: R159.1 R282.1 U1.G7
/FPGA/I2C_APP_3V3_SCL: R25.2 U34.19 U39.19 U59.2
/FPGA/I2C_APP_3V3_SDA: R28.2 U34.20 U39.20 U59.3
/FPGA/I2C_APP_SCL: J20.13 R57.1 U5.15 U17.5 U32.5 U57.5 U59.7 U62.4 U63.4 U64.4 Y6.8
/FPGA/I2C_APP_SDA: J20.14 R75.1 U5.14 U17.6 U32.6 U57.6 U57.7 U59.6 U62.2 U62.3 U63.3 U64.3 Y6.7
/FPGA/I2C_FPGA_SCL: J22.11 R39.2 R136.1 U5.19 U52.7
/FPGA/I2C_FPGA_SDA: J22.12 R40.2 R135.1 U5.20 U52.6
/FPGA/I2C_Repeaters_RST: D9.2 U52.5 U59.5
/FPGA/QSFP1_INT: J17.28 R304.1 U34.5
/FPGA/QSFP1_LPMODE: J17.31 R305.1 U34.4
/FPGA/QSFP1_MOD_PRS: J17.27 R303.1 U34.6
/FPGA/QSFP1_MOD_SEL: J17.8 R301.2 U34.8
/FPGA/QSFP1_RST: J17.9 R302.2 U34.7
/FPGA/QSFP2_INT: J8.28 R38.1 U34.14
/FPGA/QSFP2_LPMODE: J8.31 R77.1 U34.13
/FPGA/QSFP2_MOD_PRS: J8.27 R37.1 U34.15
/FPGA/QSFP2_MOD_SEL: J8.8 R35.2 U34.17
/FPGA/QSFP2_RST: J8.9 R36.2 U34.16
/FPGA/SI570_OE: R32.2 U39.1 Y6.2
/FPGA_RTS: U1.M16 U15.5
/FPGA_RxD: U1.K15 U38.5
/FPGA_TxD: U1.C16 U38.4
/I2C_DDR3_SCL: R51.1 SK1.202 U5.8
/I2C_DDR3_SDA: R52.1 SK1.200 U5.7
/I2C_MUX/I2C_CLK_SCL: J20.5 R49.1 U2.48 U5.6
/I2C_MUX/I2C_CLK_SDA: J20.6 R50.1 U2.47 U5.5
/I2C_MUX/QSFP1_SCL: J17.11 J20.9 R53.1 U5.11
/I2C_MUX/QSFP1_SDA: J17.12 J20.10 R54.1 U5.10
/I2C_MUX/QSFP2_SCL: J8.11 J20.11 R55.1 U5.13
/I2C_MUX/QSFP2_SDA: J8.12 J20.12 R56.1 U5.12
/JTAG/FMC1_TDI_R: R237.2 R277.2 U10.1
/JTAG/FMC1_TDO_R: R238.2 R278.2 U10.2
/JTAG/FMC2_TDI_R: R238.1 R279.2 U7.1
/JTAG/FMC2_TDO_R: R275.1 R280.2 U7.2
/JTAG/FPGA_TCK: R229.1 U1.L8
/JTAG/FPGA_TDI: R215.1 U1.R6
/JTAG/FPGA_TDO: R216.1 U1.R7
/JTAG/FPGA_TMS: R228.1 U1.N8
/JTAG/JTAG_TCK: J11.6 R229.2 R230.2 U8.5
/JTAG/JTAG_TDI: J11.10 R215.2 R231.2 U8.4
/JTAG/JTAG_TDO: J11.8 R216.2 R233.2 U9.4
/JTAG/JTAG_TMS: J11.4 R228.2 R232.2 U9.5
/JTAG/Self_FPGA_TCK: U1.Y26 U8.8
/JTAG/Self_FPGA_TDI: U1.Y25 U8.9
/JTAG/Self_FPGA_TDO: U1.AF25 U9.9
/JTAG/Self_FPGA_TMS: U1.AF24 U9.8
/LPC_RST: D3.2 J6.4 J14.10 R138.1 U54.14
/MMC/ADC1_IN0: C75.1 R86.1 U54.24
/MMC/ADC1_IN7: C77.1 R87.1 U54.32
/MMC/AT_DET: R179.2 U41.4 U54.65
/MMC/EN_FMC1_P12V: Q8.1 R188.1 U54.57
/MMC/EN_FMC2_P12V: Q9.1 R201.1 U54.56
/MMC/EN_PSU_CH: R245.2 U54.58
/MMC/FPGA_DONE: Q19.1 R162.2 U1.J7 U54.81
/MMC/FPGA_INT: J22.2 U54.26 U68.8
/MMC/FPGA_MISO: J22.5 U51.8 U54.31
/MMC/FPGA_MOSI: J22.6 U51.9 U54.91
/MMC/FPGA_RESETn: R142.1 R159.2 U54.4
/MMC/FPGA_SCK: J22.4 U54.30 U65.9
/MMC/FPGA_SSEL: J22.3 U54.29 U65.8
/MMC/HW_ID0: R144.1 U54.59
/MMC/HW_ID1: R146.1 U54.60
/MMC/HW_ID2: R147.1 U54.61
/MMC/HW_ID3: R158.1 U54.62
/MMC/I2C_PM_SCL: J9.4 J22.9 R14.2 U27.16 U28.2 U29.2 U35.F14 U54.67
/MMC/I2C_PM_SDA: J9.2 J22.10 R13.2 U27.15 U28.1 U29.1 U35.F15 U54.66
/MMC/ISP_RSTn: D3.1 Q14.3
/MMC/LED1: LD15.1 U54.97
/MMC/LED2: LD11.1 U54.98
/MMC/LED3: LD12.1 U54.1
/MMC/MMC_CONS_CTS: U54.70 U66.5
/MMC/MMC_CONS_PROG_RxD: U25.5 U54.69
/MMC/MMC_CONS_PROG_TxD: U25.4 U54.68
/MMC/MMC_CONS_RTS: U54.71 U66.4
/MMC/OVER_TEMP: D2.1 R178.2 U27.7 U28.3 U29.3 U54.64
/MMC/PROG_B: D1.2 Q21.3 R160.2 U1.P6 U54.15
/MMC/PWR_ALERT: J9.6 R167.1 U35.F13 U54.9
/MMC/PWR_RESET: U35.G18 U54.8
/MMC/SDRAM_PGOOD: R29.2 U31.9 U54.80
/MMC/VREF: C199.1 C311.1 L9.2 R3.1 U54.22
/MMC_TCK: J6.1 J14.4 R137.1 U54.76
/MMC_TDI: J14.8 U54.77
/MMC_TDO: J14.6 U54.89
/MMC_TMS: J6.3 J14.2 U54.72
/MUX1_MMC: R297.1 U44.9 U54.39
/MUX2_MMC: R298.1 U45.9 U54.40
/MUX3_MMC: R299.1 U46.9 U49.9 U50.9 U54.41 U56.2
/Pmod3_0: J16.1 U54.96
/Pmod3_1: J16.3 U54.18
/Pmod3_2: J16.5 U54.17
/Pmod3_3: J16.7 U54.47
/Pmod3_4: J16.2 U54.53
/Pmod3_5: J16.4 U54.54
/Pmod3_6: J16.6 U54.87
/Pmod3_7: J16.8 U54.86
/PMOD/Pmod1_0: U1.C24 U3.1
/PMOD/Pmod1_1: U1.C22 U3.3
/PMOD/Pmod1_2: U1.L23 U3.4
/PMOD/Pmod1_3: U1.D21 U3.5
/PMOD/Pmod1_4: U1.K21 U3.6
/PMOD/Pmod1_5: U1.C18 U3.7
/PMOD/Pmod1_6: U1.C19 U3.8
/PMOD/Pmod1_7: U1.C17 U3.9
/PMOD/Pmod1_C_0: J12.1 U3.20
/PMOD/Pmod1_C_1: J12.3 U3.18
/PMOD/Pmod1_C_2: J12.5 U3.17
/PMOD/Pmod1_C_3: J12.7 U3.16
/PMOD/Pmod1_C_4: J12.2 U3.15
/PMOD/Pmod1_C_5: J12.4 U3.14
/PMOD/Pmod1_C_6: J12.6 U3.13
/PMOD/Pmod1_C_7: J12.8 U3.12
/PMOD/Pmod2_0: U1.AE7 U12.1
/PMOD/Pmod2_1: U1.V7 U12.3
/PMOD/Pmod2_2: U1.Y7 U12.4
/PMOD/Pmod2_3: U1.AF7 U12.5
/PMOD/Pmod2_4: U1.V8 U12.6
/PMOD/Pmod2_5: U1.AA8 U12.7
/PMOD/Pmod2_6: U1.Y8 U12.8
/PMOD/Pmod2_7: U1.W9 U12.9
/PMOD/Pmod2_C_0: J13.1 U12.20
/PMOD/Pmod2_C_1: J13.3 U12.18
/PMOD/Pmod2_C_2: J13.5 U12.17
/PMOD/Pmod2_C_3: J13.7 U12.16
/PMOD/Pmod2_C_4: J13.2 U12.15
/PMOD/Pmod2_C_5: J13.4 U12.14
/PMOD/Pmod2_C_6: J13.6 U12.13
/PMOD/Pmod2_C_7: J13.8 U12.12
/Power/FMC1_P: Q16.5 Q16.6 Q16.7 Q16.8 R182.1 U17.1 U63.8
/Power/FMC2_P: Q23.5 Q23.6 Q23.7 Q23.8 R183.1 U32.1 U64.8
/Power/Power_SW/LTM4673/FB0: C361.1 R8.1 R217.2 U35.G9
/Power/Power_SW/LTM4673/FB1: C362.1 R89.1 R220.2 U35.H9
/Power/Power_SW/LTM4673/FB2: C363.1 R90.1 R226.2 U35.M9
/Power/Power_SW/LTM4673/FB3: C426.1 R95.1 R219.2 U35.N10
/Power/Power_SW/LTM4673/PWRGD: R81.1 U35.F19
/Power/Power_SW/LTM4673/RUN: D2.2 R140.2 R141.2 R149.1 R245.1
/Power/Power_SW/LTM4673/WP: R308.2 SW4.1 U35.G15
/Power/Power_SW/XRP_POWER_GOOD: C418.1 Q21.1 R81.2 R157.1 U54.33